# Altium PCB PIR_Sensor_Assemble_SMD_V1.3.1_Nov2023_1402.06.05.PcbDoc
Units mm, origin at the board's own origin, x right, y up, seen from the top; angles counter-clockwise.
Board outline 56.57 x 57.02 mm, 2 copper layers (Top Layer, Bottom Layer); 62 components, 0 nets, 151 pads, 0 vias.
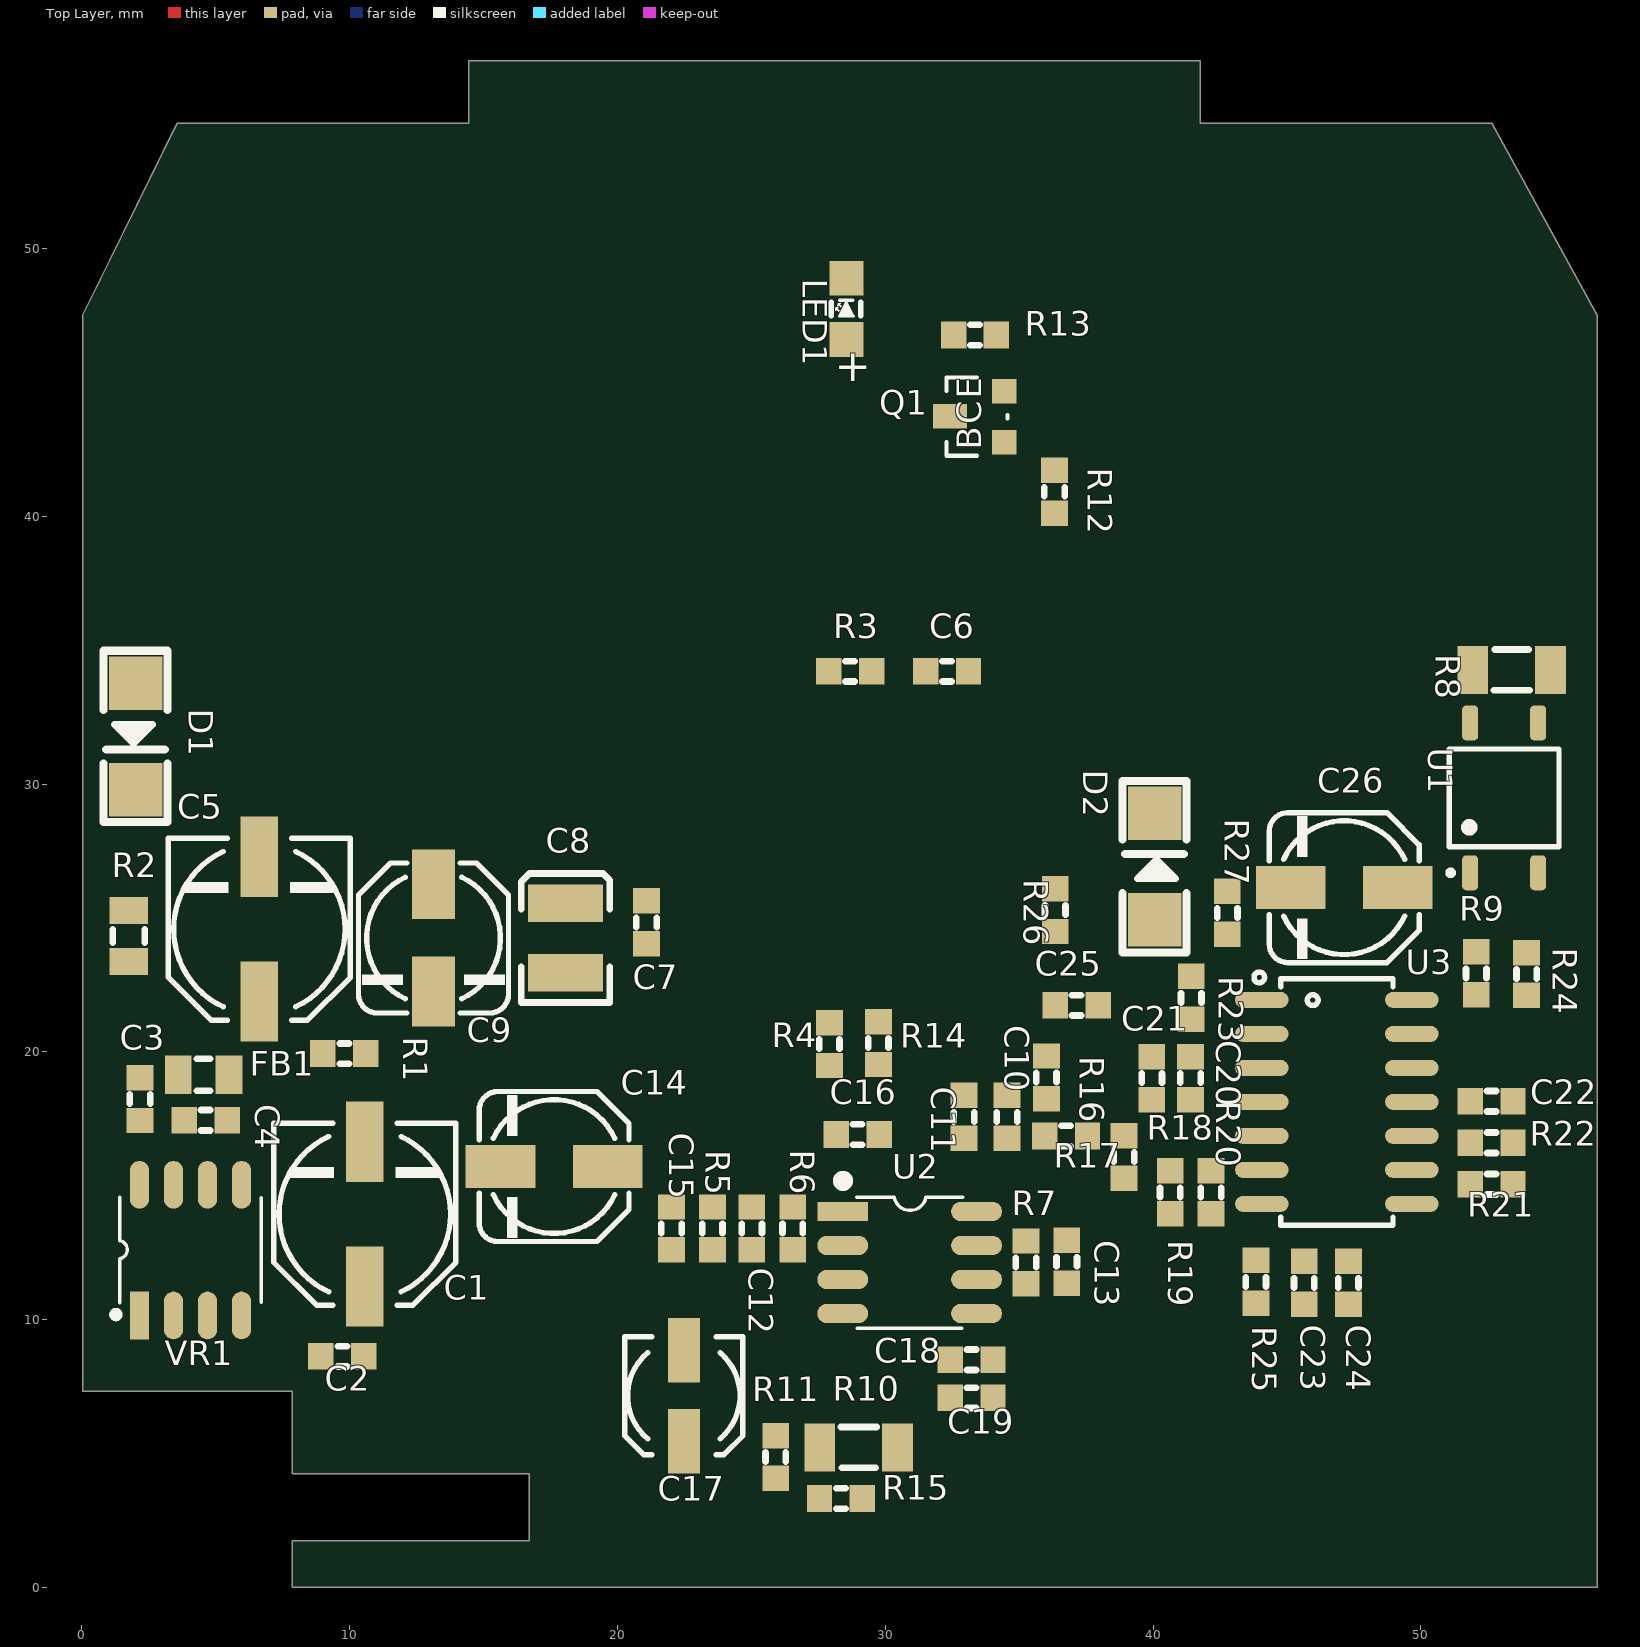
[diagram p0: Top Layer view]
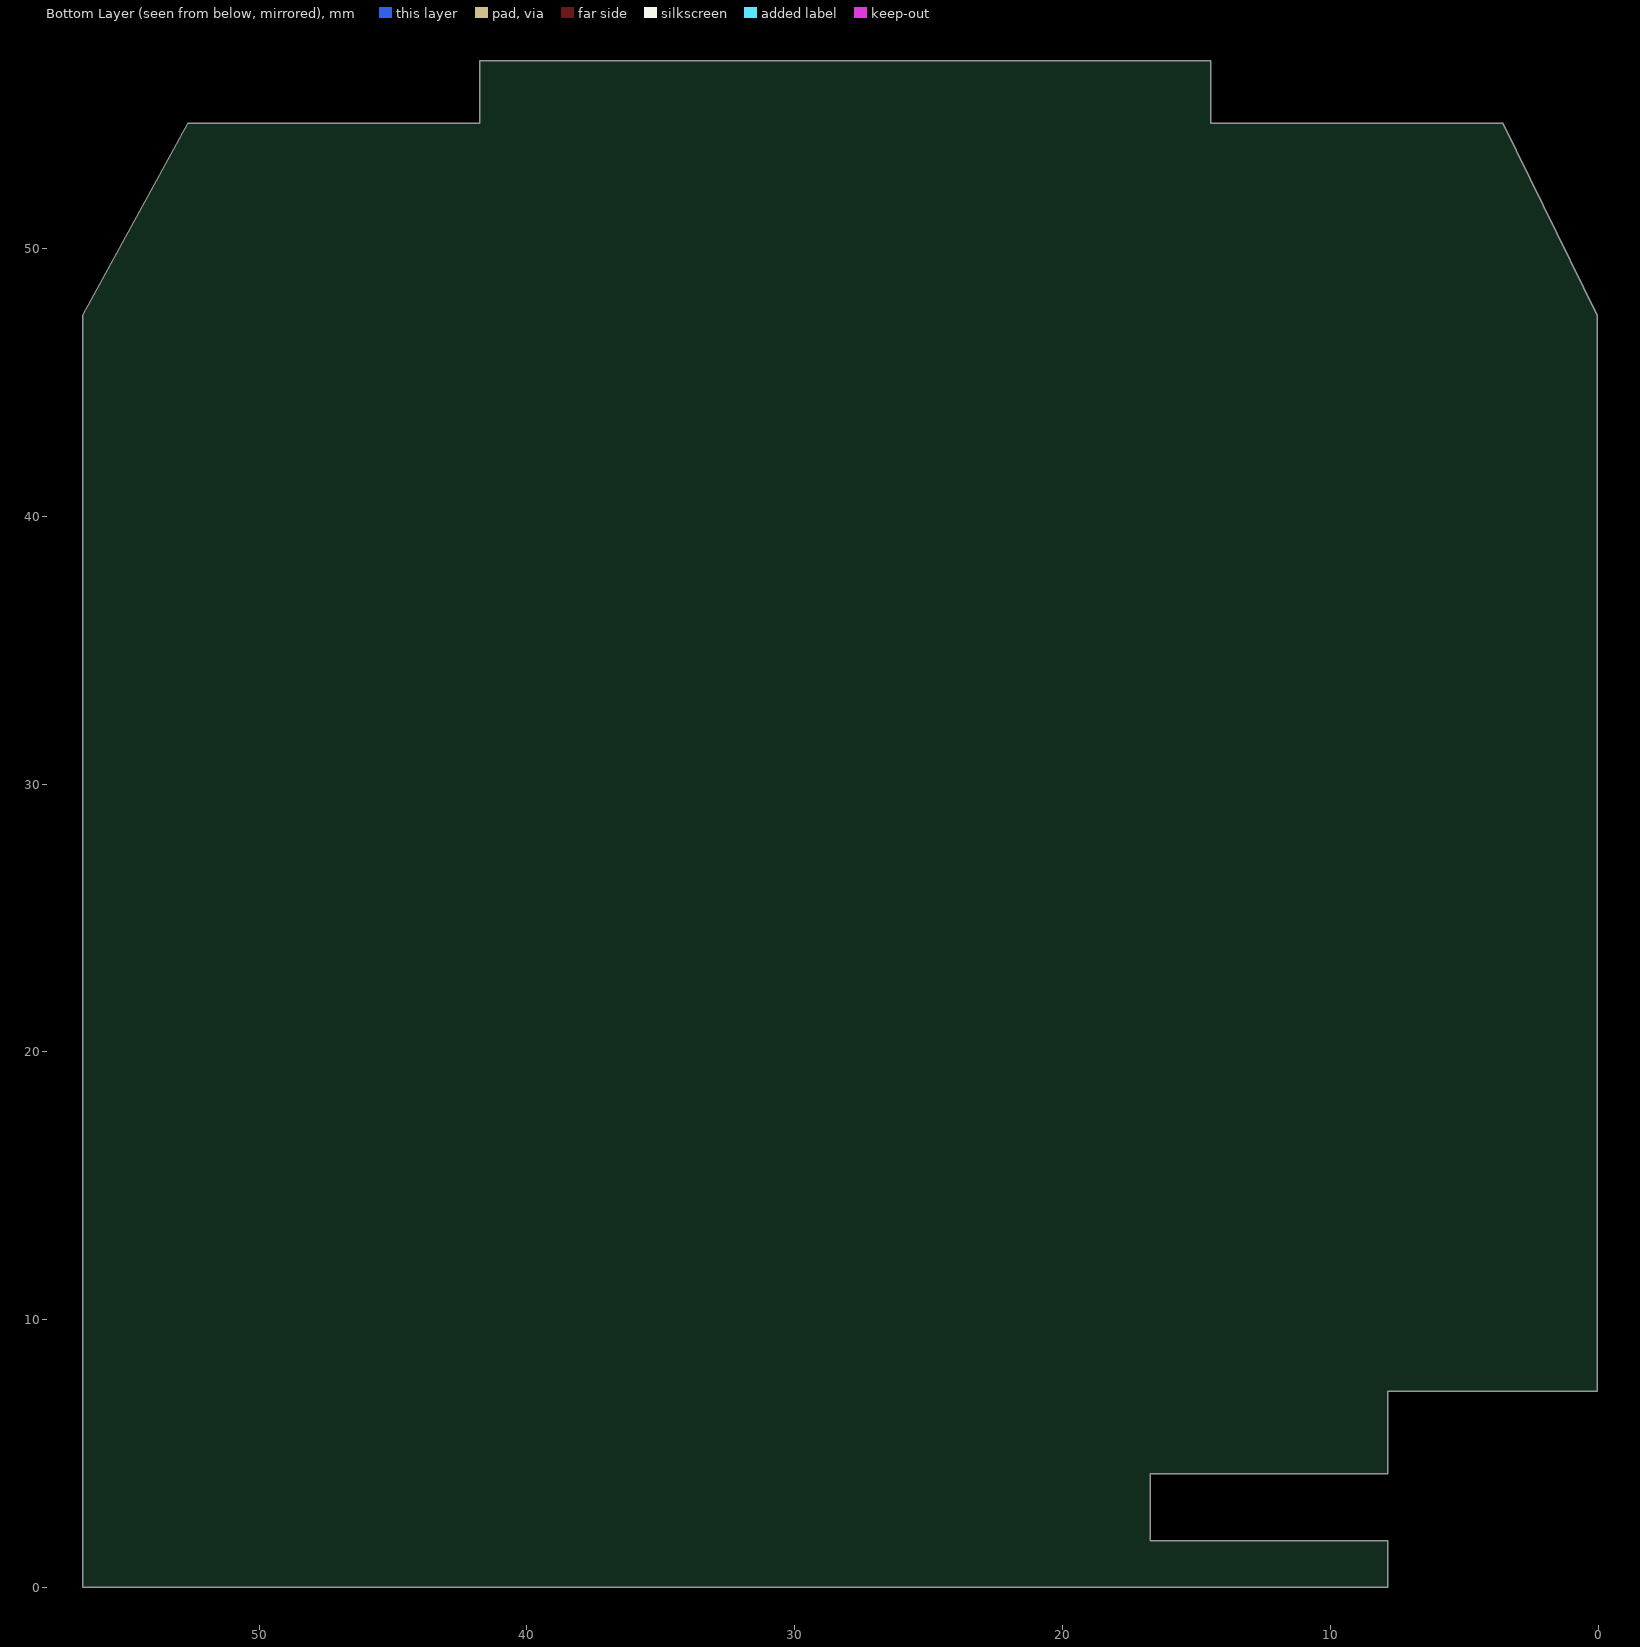
[diagram p1: Bottom Layer view, seen from below]

## Layer stack, top to bottom
Top Solder: solder mask 0.0102, Solder Resist, Dk 3.5
Top Layer: signal copper 0.0356
Dielectric 1: dielectric 0.32, FR-4, Dk 4.8
Bottom Layer: signal copper 0.0356
Bottom Solder: solder mask 0.0102, Solder Resist, Dk 3.5

## Board outline
7.849,0.004 7.849,1.747 16.713,1.747 16.713,4.247 7.849,4.247 7.849,7.341 0.025,7.341 0.025,47.498 3.56,54.686 14.453,54.686 14.453,57.023 41.758,57.023 41.758,54.686 52.654,54.686 56.591,47.498 56.591,0.004

## Design rules (kind name [scope] priority, off if disabled: settings)
Clearance Clearance_1 [OnLayer('Keep-Out Layer')] p1: gap=0.762 ignorepadtopadclearanceinfootprint=FALSE except(0: Arc-Hole Track-Hole SMDPad-Hole THPad-Hole Via-Hole Fill-Hole Poly-Hole Region-Hole Text-Hole)
Clearance Clearance_2 [All] p2: gap=0.254 ignorepadtopadclearanceinfootprint=FALSE except(0: Arc-Hole Track-Hole SMDPad-Hole THPad-Hole Via-Hole Fill-Hole Poly-Hole Region-Hole Text-Hole; 0.381: Arc-Poly Arc-Region Track-Poly Track-Region SMDPad-Poly SMDPad-Region THPad-Poly THPad-Region Via-Poly Via-Region Fill-Poly Fill-Region Poly-Poly Poly-Region Region-Region)
HoleSize [All] p1: absolutevalues=TRUE maxlimit=12 minlimit=0.025 maxpercent=80.000 minpercent=20.000
MinimumSolderMaskSliver [All] p1: minsoldermaskwidth=0
PolygonConnect [All] p1: thpad.connectstyle=Relief thpad.reliefconductorwidth=0.5 thpad.reliefentries=4 thpad.polygonreliefangle="90 Angle" thpad.airgapwidth=0.254 smdpad.connectstyle=Relief smdpad.reliefconductorwidth=0.5 smdpad.reliefentries=4 smdpad.polygonreliefangle="90 Angle" smdpad.airgapwidth=0.254 via.connectstyle=Direct via.reliefconductorwidth=0.254 via.reliefentries=4 via.polygonreliefangle="45 Angle" via.airgapwidth=0.254
RoutingVias [All] p1: holewidth=0.711 width=1.27 viastyle="Through Hole" minholewidth=0.5 minwidth=0.7 maxholewidth=0.711 maxwidth=2.54
ShortCircuit [All] p1: allowed=TRUE
SilkToSilkClearance [All] p1: silktosilkclearance=0
SilkToSolderMaskClearance [IsPad] p1: minsilkscreentomaskgap=0 clearancetoexposedcopper=TRUE
SolderMaskExpansion [All] p1: expansion=0.102 istentingtop=FALSE
Width [All] p1: maxlimit=1 minlimit=0.254 preferedwidth=0.254
25 further rules are at their usual default settings.

## Components (designator, comment, footprint, x,y, rotation, side; value= is the part's Value field where it differs from the comment)
C1 "100UF_6.3X5.4MM_10V_SMD" CAP_EL_SMD_6X8 10.566,13.945 r90 top value=100UF_10V_5*5.8
C2 "100NF_0603_50V" Cap_0603_Nominal 9.728,8.636 r180 top value=100nF_0603_50V
C3 "220PF_0603_50V" Cap_0603_Nominal 2.168,18.241 r270 top value=100nF_0603_50V
C4 "100NF_0603_50V" Cap_0603_Nominal 4.623,17.45 r180 top value=100nF_0603_50V
C5 "100UF_6.3X7.7MM_25V_SMD" CAP_EL_SMD_6X8 6.629,24.587 r90 top value=100UF_25V_5*5.8
C6 "100PF_0603_50V" Cap_0603_Nominal 32.309,34.214 r180 top
C7 "470PF_0603_50V" Cap_0603_Nominal 21.082,24.841 r90 top
C8 "22UF_1210(B)_16V" Cap_Tantal(3528)_B 18.059,24.257 r90 top value=22UF_16V_B
C9 "22UF_5.0X5.4MM_10V_SMD" CAP_EL_SMD_5 13.132,24.257 r270 top value=22UF_10V_5*5.8
C10 "220PF_0603_50V" Cap_0603_Nominal 34.544,17.577 r270 top value=100PF_0603_50V
C11 "120NF_0603_16V" Cap_0603_Nominal 32.944,17.577 r270 top value=100PF_0603_50V
C12 "33NF_0603_50V" Cap_0603_Nominal 25.019,13.411 r270 top value=100PF_0603_50V
C13 "33NF_0603_50V" Cap_0603_Nominal 36.779,12.167 r270 top value=100PF_0603_50V
C14 "22UF_5.0X5.4MM_10V_SMD" CAP_EL_SMD_5 17.634,15.723 r180 top value=22UF_10V_5*5.8
C15 "100PF_0603_50V" Cap_0603_Nominal 22.022,13.411 r90 top
C16 "100PF_0603_50V" Cap_0603_Nominal 28.969,16.916 r180 top
C17 "10UF_4.0X5.4MM_16V_SMD" CAP_EL_SMD_4 22.479,7.163 r90 top value=22UF_10V_5*5.8
C18 "220PF_0603_50V" Cap_0603_Nominal 33.223,8.509 r0 top value=100PF_0603_50V
C19 "120NF_0603_16V" Cap_0603_Nominal 33.223,7.087 r0 top value=100PF_0603_50V
C20 "220PF_0603_50V" Cap_0603_Nominal 41.402,19.025 r90 top value=100PF_0603_50V
C21 "120NF_0603_16V" Cap_0603_Nominal 39.954,19.025 r90 top value=100PF_0603_50V
C22 "220PF_0603_50V" Cap_0603_Nominal 52.641,18.161 r180 top value=100PF_0603_50V
C23 "10NF_0603_50V" Cap_0603_Nominal 45.644,11.379 r90 top value=100PF_0603_50V
C24 "220PF_0603_50V" Cap_0603_Nominal 47.295,11.379 r90 top value=100PF_0603_50V
C25 "220PF_0603_50V" Cap_0603_Nominal 37.148,21.742 r0 top value=100PF_0603_50V
C26 "22UF_5.0X5.4MM_10V_SMD" CAP_EL_SMD_5 47.136,26.137 r180 top value=22UF_10V_5*5.8
D1 "B350A_SMA" DIODE_SMA 2.007,31.775 r270 top
D2 "B350A_SMA" DIODE_SMA 40.056,26.924 r90 top
FB1 "CBG201209U050_0805" INDUCTOR_0805_Nominal 4.547,19.152 r0 top value=MU1608-221Y
LED1 "RED_0805" LED_0805_NOMINAL 28.52,46.629 r90 top
Q1 "MMBT3904_SOT23" SOT23_BJT 33.426,43.726 r90 top
R1 "10K_0603" Res_0603_Nominal 9.804,19.939 r180 top value=10k_0603
R2 "0.018K_0805" Res_0805_Nominal 1.753,24.333 r90 top value=18_0603
R3 "10K_0603" Res_0603_Nominal 28.689,34.214 r0 top value=10k_0603
R4 "3.9K_0603" Res_0603_Nominal 27.915,20.295 r90 top
R5 "2.7K_0603" Res_0603_Nominal 23.546,13.411 r90 top value=18_0603
R6 "180K_0603" Res_0603_Nominal 26.543,13.411 r270 top value=18_0603
R7 "2.7M_0603" Res_0603_Nominal 35.255,12.141 r270 top value=18_0603
R8 "0.0051K_1206" Res_1206_NOMINAL 53.391,34.265 r0 top value=18_0603
R9 "1K_0603" Res_0603_Nominal 52.07,22.936 r90 top value=18_0603
R10 "NTC_33K_1206" Res_1206_NOMINAL 29.007,5.232 r180 top value=1K
R11 "3.9K_0603" Res_0603_Nominal 25.908,4.877 r90 top value=18_0603
R12 "22K_0603" Res_0603_Nominal 36.322,40.919 r270 top value=18_0603
R13 "3.3K_0603" Res_0603_Nominal 33.35,46.774 r180 top value=18_0603
R14 "0.499K_0603_1%" Res_0603_Nominal 29.743,20.333 r90 top value=18_0603
R15 "30K_0603" Res_0603_Nominal 28.346,3.327 r180 top value=18_0603
R16 "22K_0603" Res_0603_Nominal 36.017,19.05 r90 top value=18_0603
R17 "22K_0603" Res_0603_Nominal 36.754,16.866 r180 top value=18_0603
R18 "10K_0603" Res_0603_Nominal 38.913,16.078 r270 top value=18_0603
R19 "10K_0603" Res_0603_Nominal 40.64,14.757 r90 top value=18_0603
R20 "22K_0603" Res_0603_Nominal 42.164,14.757 r270 top value=18_0603
R21 "60.4K_0603" Res_0603_Nominal 52.641,15.062 r180 top value=18_0603
R22 "60.4K_0603" Res_0603_Nominal 52.641,16.612 r0 top value=18_0603
R23 "100K_0603" Res_0603_Nominal 41.427,22.022 r270 top value=18_0603
R24 "3.9K_0603" Res_0603_Nominal 53.95,22.911 r270 top value=18_0603
R25 "0.22K_0603" Res_0603_Nominal 43.84,11.417 r270 top value=18_0603
R26 "6.8K_0603" Res_0603_Nominal 36.347,25.298 r90 top value=18_0603
R27 "30K_0603" Res_0603_Nominal 42.774,25.197 r90 top value=18_0603
U1 "CPC1017N_SOP4" SOIC254P610X218-4N 53.111,29.489 r90 top
U2 "LM358_SOP8" SOIC8 30.912,12.141 r0 top
U3 "LM339DT_SOP14" SO_14 46.863,18.136 r0 top
VR1 "78L05A_SOP8" SOP8 6.325,10.693 r90 top

## Footprints (in the part's own frame and the unit in brackets; to place one, negate y for a bottom-side part, rotate by r counter-clockwise, add the part's x,y. Pads: shape width x height; smd on the part's side, far side on the other; paste and mask are expansions set on the pad)
Cap_0603_Nominal [mm]
  rect 0.95x1 smd: 1(-0.8,0) 2(0.8,0)
  silkscreen extent -0.17,-0.38 0.17,0.38, body extent -0.8,-0.4 0.8,0.4, height 0.3
CAP_EL_SMD_4 [mm] "Electrolytic Cap, D: 4.3mm, Size B, 5.5mm Height"
  rect 2.4x1.2 smd: 1(-1.7,0) 2(1.7,0)
  Top Layer pour cut-out: 1.397,2.032 1.397,-2.032 -1.651,-2.032 -1.651,2.032
  silkscreen extent -2.2,-2.2 2.2,2.2, body extent -2.5,-2.15 2.5,2.15, height 5.5
CAP_EL_SMD_5 [mm] "Electrolytic Cap, D: 5.0mm, L: 5.8mm, Size C"
  rect 2.6x1.6 smd: 1(-2,0) 2(2,0)
  Top Layer pour cut-out: 1.905,2.667 1.905,-2.7 -1.905,-2.7 -1.905,2.667
  silkscreen extent -2.8,-2.8 2.8,2.8, body extent -3,-2.65 3,2.65
CAP_EL_SMD_6X8 [mm] "Electrolytic Cap, D: 6.3mm L: 7.7mm, Size D"
  rect 3x1.4 smd: 1(-2.7,0) 2(2.7,0)
  Top Layer pour cut-out: 1.905,3.175 1.905,-3.175 -1.905,-3.175 -1.905,3.175
  silkscreen extent -3.4,-3.4 3.4,3.4, body extent -3.65,-3.3 3.65,3.3, height 7.7
Cap_Tantal(3528)_B [mm]
  rect 1.4x2.8 smd: 1(1.3,0) 2(-1.3,0)
  silkscreen extent -2.41,-1.65 2.41,1.65, body extent -1.85,-1.47 1.85,1.46, height 2.03
DIODE_SMA [mm]
  rect 2x2 smd: 1(-1.99,0) 2(1.99,0)
  silkscreen extent -3.21,-1.19 3.19,1.2, body extent -2.6,-1.3 2.6,1.3, height 2.45
INDUCTOR_0805_Nominal [mm]
  rect 1x1.45 smd: 1(-0.95,0) 2(0.95,0)
  silkscreen extent -0.25,-0.6 0.25,0.6, body extent -1.1,-0.72 1.1,0.73, height 0.55
LED_0805_NOMINAL [mm]
  rect 1.3x1.27 smd: 1(-0.02,-0.03) 2(2.266,-0.03)
  Top Layer pour cut-out: 0.63,0.595 0.63,-0.655 1.616,-0.655 1.616,0.595
  silkscreen extent 0.84,-0.57 1.45,0.54, body extent 0.09,-0.62 2.11,0.63, height 1.1
Res_0603_Nominal [mm]
  rect 0.95x1 smd: 1(-0.8,0) 2(0.8,0)
  silkscreen extent -0.17,-0.38 0.17,0.38, body extent -0.8,-0.42 0.84,0.43, height 0.26
Res_0805_Nominal [mm]
  rect 1x1.45 smd: 1(-0.95,0) 2(0.95,0)
  silkscreen extent -0.25,-0.6 0.25,0.6, body extent -1,-0.62 1,0.63, height 0.47
Res_1206_NOMINAL [mm]
  rect 1.15x1.8 smd: 1(1.45,0) 2(-1.45,0)
  silkscreen extent -0.67,-0.76 0.67,0.76, body extent -1.6,-0.79 1.6,0.81, height 0.53
SO_14 [mm] "SOP, SOIC, 3.9mm width, 1.27mm pitch,"
  oval 2x0.6 smd: 1(-2.8,3.81) 2(-2.8,2.54) 3(-2.8,1.27) 4(-2.8,0) 5(-2.8,-1.27) 6(-2.8,-2.54) 7(-2.8,-3.81) 8(2.8,-3.81) 9(2.8,-2.54) 10(2.8,-1.27) 11(2.8,0) 12(2.8,1.27) 13(2.8,2.54) 14(2.8,3.81)
  silkscreen extent -3.09,-4.6 2.1,4.85, body extent -3.1,-4.38 3.1,4.37, height 1.75
SOIC8 [mm]
  rect 1.9x0.72 smd: 1(-2.5,1.905)
  oval 1.9x0.72 smd: 2(-2.5,0.635) 3(-2.5,-0.635) 4(-2.5,-1.905) 5(2.5,-1.905) 6(2.5,-0.635) 7(2.5,0.635) 8(2.5,1.905)
  silkscreen extent -2.51,-2.45 1.98,3.07, body extent -2.89,-2.46 2.89,2.44, height 1.45
SOIC254P610X218-4N [mm]
  rrect50% 1.3x0.6 smd: 1(-2.8,1.27) 2(-2.8,-1.27) 3(2.8,-1.27) 4(2.8,1.27)
  silkscreen extent -2.9,-2.05 1.83,2.1, body extent -3.1,-2.15 3.1,2.15, height 2.18
SOP8 [mm]
  rect 1.78x0.72 smd: 1(-0.53,4.17)
  oval 1.78x0.72 smd: 2(-0.53,2.9) 3(-0.53,1.63) 4(-0.53,0.36) 5(4.347,0.36) 6(4.347,1.63) 7(4.347,2.9) 8(4.347,4.17)
  silkscreen extent -0.62,-0.38 3.88,5.18, body extent -0.98,-0.2 4.8,4.7, height 1.45
SOT23_BJT [mil]
  rect 36x36 smd: 1(-37.5,-40) 2(37.5,-40)
  rect 36x50 smd: 3(0.5,40)
  silkscreen extent -57,-45 58,45, body extent -59,-49 59,49, height 42

## Part data
C1 C5 C9 C14 C17 C26: library part Cap_Electrical
C2 C3 C4 C6 C7 C10 C11 C12 C13 C15 C16 C18 C19 C20 C21 C22 C23 C24 C25: library part Cap, "0603"
  C2 C4: Component ID=000400
  C7: Component ID=002055
  C23: Component ID=002440
C8: library part Cap_Electrical, "Tant"
D1 D2: library part Diode, "B350A"
FB1: library part "FERRITE BEAD"
LED1: library part LED, Component ID=000517
Q1: library part MMBT3904, Component ID=000489
R1 R3 R4 R5 R6 R7 R8 R9 R11 R12 R13 R14 R15 R16 R17 R18 R19 R20 R21 R22 R23 R24 R25 R26 R27: library part RES, "0603", size=0603
  R1 R3 R18 R19: Component ID=000091
  R5: Component ID=000150
  R9: Component ID=000095
  R12 R16 R17 R20: Component ID=000110
  R13: Component ID=000154
  R15: Component ID=000153
  R23: Component ID=003179
  R25: Component ID=000140
R2: library part RES, "0805", size=0805
R10: library part "Res Adj1", "Variable Resistor", LatestRevisionDate=17-Jul-2002, LatestRevisionNote="Re-released for DXP Platform.", PackageDescription="Axial Device, Thru-Hole; 2 Leads; 0.7 in Pin Spacing", PackageReference=AXIAL-0.7, Published=8-Jun-2000, Publisher="Altium Limited", Set Position=0.5
U1: library part CPC1017N, "Solid State SPST-NO _1 Form A_ 4-SOP _0.150, 3.81mm_", Package="SOP-4 IXYS", Availability=Unavailable, MF="IXYS Integrated", MP=CPC1017N, PRICE=None, SnapEDA_Link=https://www.snapeda.com/parts/CPC1017N/IXYS%20Integrated%20Circuits%20Division/view-part/345722/?ref=snap
U2: library part LM358, Component ID=001792, LM358=001792
U3: library part LM339DT, "LM339 Series Quad 32 V 250 nA SMT Low Power Voltage Comparator - SOIC-14", Package="SOIC-14 STMicroelectronics", Availability=Unavailable, Component ID=001788, MF=STMicroelectronics, MP=LM339DT, PRICE=None, SnapEDA_Link=https://www.snapeda.com/parts/LM339DT/STMicroelectronics/view-part/11706/?ref=snap
VR1: library part 78L05A, Component ID=001298

## Nets (pads, with @x,y where several pads share a name; then routed paths per layer and width w, separated by ;. In a path a pad name is that pad's centre, name@x,y a point inside that pad or via, vN(x,y) a via of type N, cw(c..) or ccw(c..) an arc to the next point about the centre after c; other vN are vias at no path point)
pads on no net: C1.1 C1.2 C2.1 C2.2 C3.1 C3.2 C4.1 C4.2 C5.1 C5.2 C6.1 C6.2 C7.1 C7.2 C8.1 C8.2 C9.1 C9.2 C10.1 C10.2 C11.1 C11.2 C12.1 C12.2 C13.1 C13.2 C14.1 C14.2 C15.1 C15.2 C16.1 C16.2 C17.1 C17.2 C18.1 C18.2 C19.1 C19.2 C20.1 C20.2 C21.1 C21.2 C22.1 C22.2 C23.1 C23.2 C24.1 C24.2 C25.1 C25.2 C26.1 C26.2 D1.1 D1.2 D2.1 D2.2 FB1.1 FB1.2 LED1.1 LED1.2 Q1.1 Q1.2 Q1.3 R1.1 R1.2 R2.1 R2.2 R3.1 R3.2 R4.1 R4.2 R5.1 R5.2 R6.1 R6.2 R7.1 R7.2 R8.1 R8.2 R9.1 R9.2 R10.1 R10.2 R11.1 R11.2 R12.1 R12.2 R13.1 R13.2 R14.1 R14.2 R15.1 R15.2 R16.1 R16.2 R17.1 R17.2 R18.1 R18.2 R19.1 R19.2 R20.1 R20.2 R21.1 R21.2 R22.1 R22.2 R23.1 R23.2 R24.1 R24.2 R25.1 R25.2 R26.1 R26.2 R27.1 R27.2 U1.1 U1.2 U1.3 U1.4 U2.1 U2.2 U2.3 U2.4 U2.5 U2.6 U2.7 U2.8 U3.1 U3.2 U3.3 U3.4 U3.5 U3.6 U3.7 U3.8 U3.9 U3.10 U3.11 U3.12 U3.13 U3.14 VR1.1 VR1.2 VR1.3 VR1.4 VR1.5 VR1.6 VR1.7 VR1.8

## Other copper
Top Layer:
  pour cut-out: 6.263,26.936 6.265,26.938 6.728,26.938 6.728,26.443 6.666,26.381 6.658,26.39 6.268,26.39

## Silkscreen, mask and mechanical layers (free items; w line width, h text height)
Top Overlay:
  text "+" at 28.118,44.653 h2.03

## Text inside footprints (layer, text, board x,y; h text height)
Q1: Top Overlay "B" at 33.899,42.496 h1.57 r90; Top Overlay "E" at 33.899,44.401 h1.57 r90; Top Overlay "C" at 33.894,43.436 h1.57 r90